# Altium PCB Monitor_Board.PcbDoc (part 3 of 5)
Units mm, origin at the board's own origin, x right, y up, seen from the top; angles counter-clockwise.
Board outline 99.59 x 64.16 mm, 4 copper layers (Top Layer, GND02, PWR03, Bottom Layer), stack 0.603 mm thick; 84 components, 146 nets, 502 pads, 244 vias.
Unrouted connection lines stored in the file: 39.
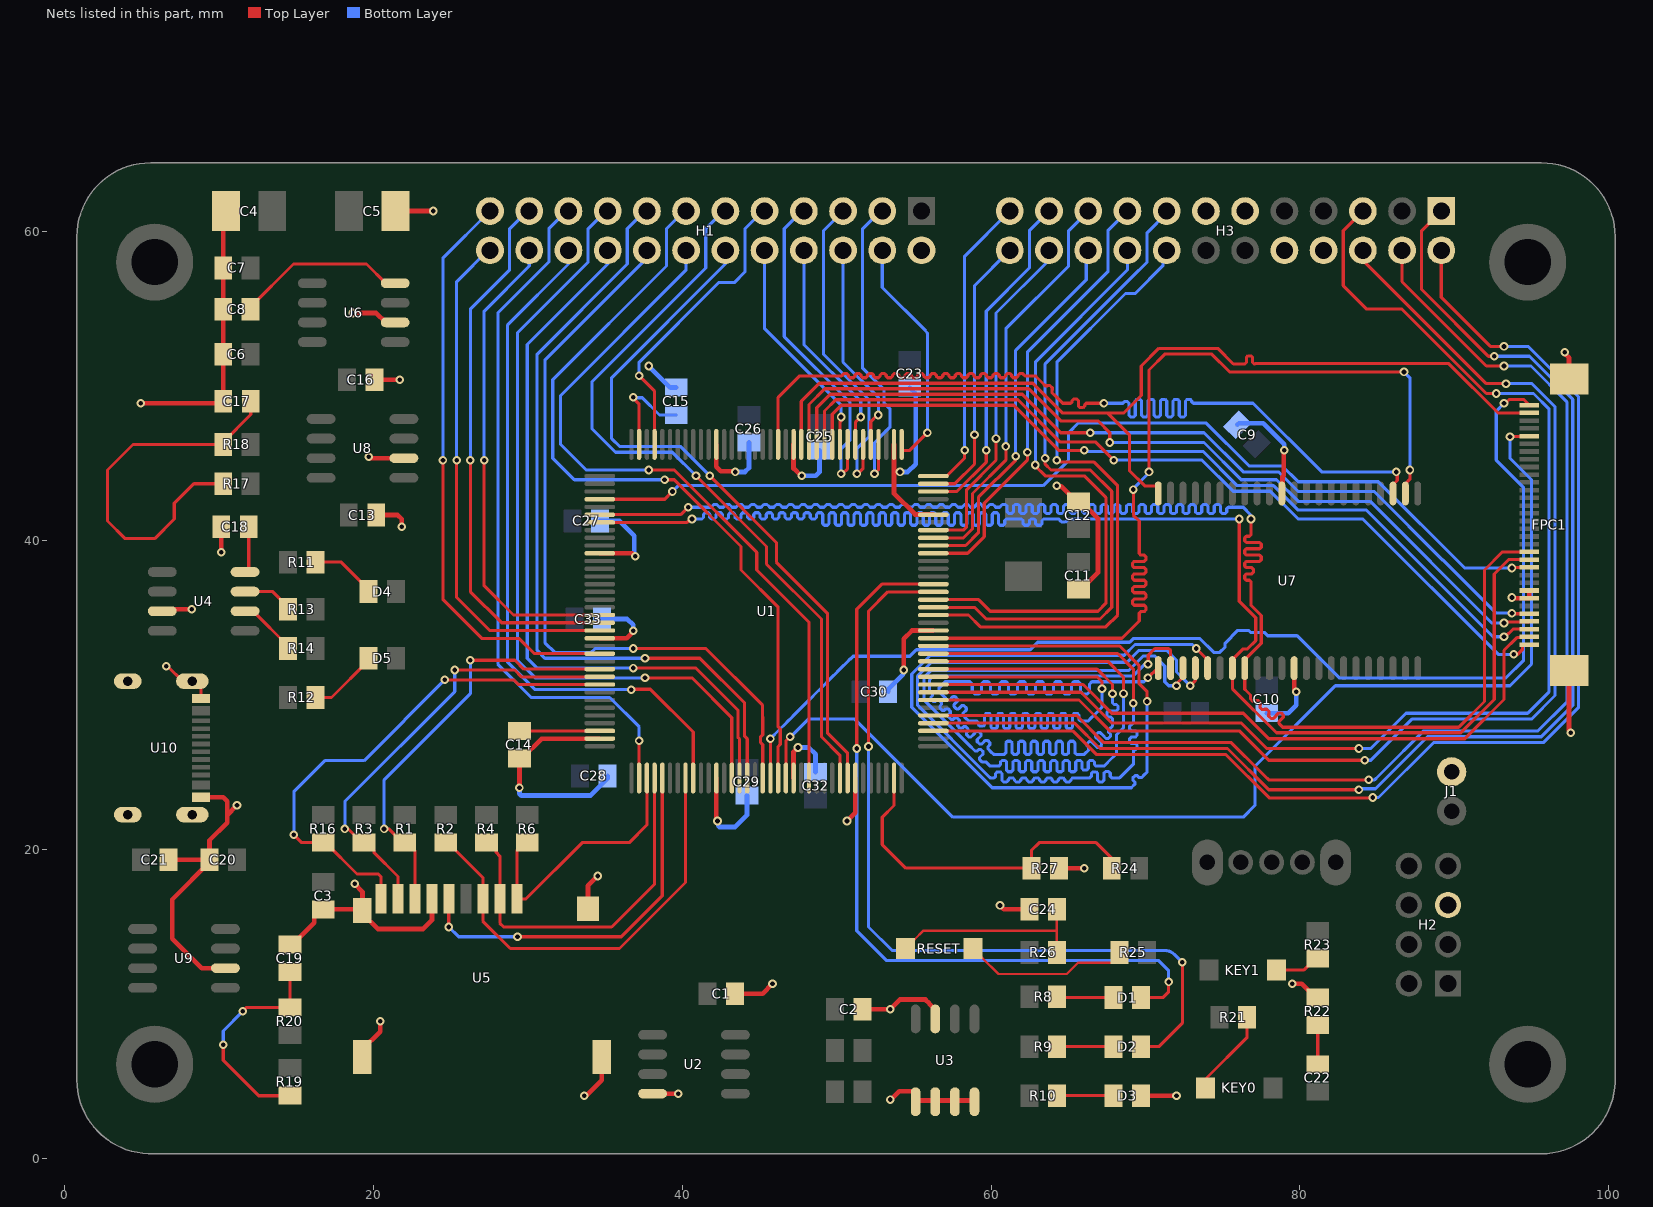
[diagram p5: the nets of this part, all layers, seen from the top]

## Via types
v1: diameter 0.559, hole 0.305, Top Layer to Bottom Layer, tented both sides, 240 vias
v2: diameter 1.143, hole 0.635, Top Layer to Bottom Layer, tented both sides, 2 vias
v3: diameter 1.143, hole 0.61, Top Layer to Bottom Layer, tented both sides, 1 vias
v4: diameter 0.559/0.559 (per signal layer), hole 0.305, Top Layer to Bottom Layer, tented both sides, 1 vias

## Nets (pads, with @x,y where several pads share a name; then routed paths per layer and width w, separated by ;. In a path a pad name is that pad's centre, name@x,y a point inside that pad or via, vN(x,y) a via of type N, cw(c..) or ccw(c..) an arc to the next point about the centre after c; other vN are vias at no path point) (continued)
FPC_LCD_D14: FPC1.13 U1.78 U7.8 | length 110.6
  Top Layer w0.203: U1.78@34.666,41.683 39.905,41.683 v1(40.386,42.164) ; v1(76.835,41.402) 76.835,40.894 76.835,40.691 76.835,40.386 76.733,40.284 76.53,40.284 76.429,40.183 76.429,39.98 76.53,39.878 76.835,39.878 77.394,39.878 77.495,39.776 77.495,39.573 77.394,39.472 76.835,39.472 76.53,39.472 76.429,39.37 76.429,39.167 76.53,39.065 76.835,39.065 77.394,39.065 77.495,38.964 77.495,38.76 77.394,38.659 76.835,38.659 76.53,38.659 76.429,38.557 76.429,38.354 76.53,38.252 76.835,38.252 76.886,38.252 76.987,38.151 76.987,37.948 76.886,37.846 76.835,37.846 76.53,37.846 76.429,37.744 76.429,37.541 76.53,37.44 76.733,37.44 76.835,37.338 76.835,37.084 76.835,35.814 77.495,35.154 77.495,33.361 76.428,32.293 U7.8@76.428,31.742 76.428,30.379 76.572,30.235 76.801,30.006 76.801,29.89 76.801,29.747 76.945,29.603 77.089,29.603 77.146,29.661 77.29,29.661 77.434,29.517 77.434,29.373 77.41,29.35 77.41,29.206 77.554,29.062 77.697,29.062 77.721,29.086 77.865,29.086 78.008,28.942 78.008,28.799 77.985,28.775 77.985,28.631 78.128,28.488 78.272,28.488 78.296,28.511 78.637,28.852 78.78,28.852 78.924,28.709 78.924,28.565 78.655,28.296 78.655,28.152 78.892,27.915 90.277,27.915 91.948,29.586 91.948,38.1 93.119,39.271 FPC1.13@94.851,39.271
  Bottom Layer w0.203: v1(40.386,42.164) 40.926,42.164 41.129,42.164 41.535,42.164 41.865,42.164 41.942,42.24 42.043,42.342 42.246,42.342 42.348,42.24 42.424,42.164 42.678,42.164 42.754,42.24 42.856,42.342 43.059,42.342 43.161,42.24 43.237,42.164 43.491,42.164 43.567,42.24 43.669,42.342 43.872,42.342 43.974,42.24 44.05,42.164 44.304,42.164 44.38,42.24 44.482,42.342 44.685,42.342 44.786,42.24 44.863,42.164 45.117,42.164 45.193,42.24 45.294,42.342 45.498,42.342 45.599,42.24 45.676,42.164 45.929,42.164 46.006,42.24 46.107,42.342 46.31,42.342 46.412,42.24 46.488,42.164 46.742,42.164 46.818,42.24 46.92,42.342 47.123,42.342 47.225,42.24 47.301,42.164 47.555,42.164 47.631,42.24 47.733,42.342 47.936,42.342 48.038,42.24 48.114,42.164 48.368,42.164 48.444,42.24 48.546,42.342 48.749,42.342 48.85,42.24 48.927,42.164 49.181,42.164 49.257,42.24 49.358,42.342 49.562,42.342 49.663,42.24 49.74,42.164 49.993,42.164 50.07,42.24 50.171,42.342 50.374,42.342 50.476,42.24 50.552,42.164 50.806,42.164 50.882,42.24 50.984,42.342 51.187,42.342 51.289,42.24 51.365,42.164 51.619,42.164 51.695,42.24 51.797,42.342 52,42.342 52.102,42.24 52.178,42.164 52.432,42.164 52.508,42.24 52.61,42.342 52.813,42.342 52.914,42.24 52.991,42.164 53.245,42.164 53.321,42.24 53.422,42.342 53.626,42.342 53.727,42.24 53.804,42.164 54.057,42.164 54.134,42.24 54.235,42.342 54.438,42.342 54.54,42.24 54.616,42.164 54.87,42.164 54.946,42.24 55.048,42.342 55.251,42.342 55.353,42.24 55.429,42.164 55.683,42.164 55.759,42.24 55.861,42.342 56.064,42.342 56.166,42.24 56.242,42.164 56.496,42.164 56.572,42.24 56.674,42.342 56.877,42.342 56.978,42.24 57.055,42.164 57.309,42.164 57.385,42.24 57.486,42.342 57.69,42.342 57.791,42.24 57.868,42.164 58.121,42.164 58.198,42.24 58.299,42.342 58.502,42.342 58.604,42.24 58.68,42.164 58.909,42.164 59.01,42.266 59.01,42.298 59.112,42.4 59.315,42.4 59.417,42.298 59.417,42.266 59.518,42.164 59.747,42.164 59.823,42.24 59.925,42.342 60.128,42.342 60.23,42.24 60.306,42.164 60.56,42.164 60.636,42.24 60.738,42.342 60.941,42.342 61.042,42.24 61.042,42.164 61.042,41.861 61.144,41.759 61.347,41.759 61.449,41.861 61.449,42.164 61.449,42.239 61.55,42.34 61.754,42.34 61.855,42.239 61.855,42.164 61.855,41.861 61.957,41.759 62.16,41.759 62.262,41.861 62.262,42.164 62.262,42.239 62.363,42.34 62.566,42.34 62.668,42.239 62.668,42.164 62.668,41.861 62.77,41.759 62.973,41.759 63.074,41.861 63.074,42.164 63.074,42.239 63.176,42.34 63.379,42.34 63.481,42.239 63.481,42.164 63.481,41.861 63.582,41.759 63.786,41.759 63.887,41.861 63.887,42.164 63.887,42.239 63.989,42.34 64.192,42.34 64.294,42.239 64.294,42.164 64.294,41.861 64.395,41.759 64.598,41.759 64.7,41.861 64.7,42.164 64.7,42.239 64.802,42.34 65.005,42.34 65.106,42.239 65.106,42.164 65.106,41.861 65.208,41.759 65.411,41.759 65.513,41.861 65.513,42.164 65.513,42.239 65.614,42.34 65.818,42.34 65.919,42.239 65.919,42.164 65.919,41.861 66.021,41.759 66.224,41.759 66.326,41.861 66.326,42.164 66.326,42.239 66.427,42.34 66.63,42.34 66.732,42.239 66.732,42.164 66.732,41.861 66.834,41.759 67.037,41.759 67.138,41.861 67.138,42.164 67.138,42.239 67.24,42.34 67.443,42.34 67.545,42.239 67.545,42.164 67.545,41.861 67.646,41.759 67.85,41.759 67.951,41.861 67.951,42.164 67.951,42.239 68.053,42.34 68.256,42.34 68.358,42.239 68.358,42.164 68.358,41.861 68.459,41.759 68.662,41.759 68.764,41.861 68.764,42.164 68.764,42.239 68.866,42.34 69.069,42.34 69.17,42.239 69.17,42.164 69.17,41.861 69.272,41.759 69.475,41.759 69.577,41.861 69.577,42.164 69.577,42.239 69.678,42.34 69.882,42.34 69.983,42.239 69.983,42.164 69.983,41.861 70.085,41.759 70.288,41.759 70.39,41.861 70.39,42.164 70.39,42.239 70.491,42.34 70.694,42.34 70.796,42.239 70.796,42.164 70.796,41.861 70.898,41.759 71.101,41.759 71.202,41.861 71.202,42.164 71.202,42.239 71.304,42.34 71.507,42.34 71.609,42.239 71.609,42.164 71.609,41.861 71.71,41.759 71.914,41.759 72.015,41.861 72.015,42.164 72.015,42.239 72.117,42.34 72.32,42.34 72.422,42.239 72.422,42.164 72.422,41.861 72.523,41.759 72.726,41.759 72.828,41.861 72.828,42.164 72.828,42.239 72.93,42.34 73.133,42.34 73.234,42.239 73.234,42.164 73.234,41.861 73.336,41.759 73.539,41.759 73.641,41.861 73.641,42.164 73.641,42.239 73.742,42.34 73.946,42.34 74.047,42.239 74.047,42.164 74.047,41.861 74.149,41.759 74.352,41.759 74.454,41.861 74.454,42.164 74.454,42.239 74.555,42.34 74.758,42.34 74.86,42.239 74.86,42.164 74.86,41.861 74.962,41.759 75.165,41.759 75.266,41.861 75.266,42.062 75.368,42.164 75.946,42.164 76.327,42.164 76.835,41.656 v1(76.835,41.402)
FPC_LCD_D15: FPC1.12 U1.79 U7.7 | length 110.6
  Top Layer w0.203: U1.79@34.666,41.183 40.325,41.183 40.544,41.402 v1(40.64,41.402) ; v1(76.073,41.402) 76.073,36.073 77.14,35.006 77.14,33.528 76.606,32.995 76.329,32.995 75.628,32.293 U7.7@75.628,31.742 75.628,30.417 78.486,27.559 90.424,27.559 92.583,29.718 92.583,37.838 93.218,38.473 93.218,38.481 93.508,38.771 FPC1.12@94.851,38.771
  Bottom Layer w0.203: v1(40.64,41.402) 40.767,41.275 40.894,41.402 41.18,41.402 41.281,41.402 41.383,41.504 41.383,41.704 41.484,41.806 41.688,41.806 41.789,41.704 41.789,41.504 41.891,41.402 42.094,41.402 42.196,41.504 42.196,41.704 42.297,41.806 42.5,41.806 42.602,41.704 42.602,41.504 42.704,41.402 42.907,41.402 43.008,41.504 43.008,41.704 43.11,41.806 43.313,41.806 43.415,41.704 43.415,41.504 43.516,41.402 43.72,41.402 43.821,41.504 43.821,41.704 43.923,41.806 44.126,41.806 44.228,41.704 44.228,41.504 44.329,41.402 44.532,41.402 44.634,41.504 44.634,41.704 44.736,41.806 44.939,41.806 45.04,41.704 45.04,41.504 45.142,41.402 45.345,41.402 45.447,41.504 45.447,41.704 45.548,41.806 45.752,41.806 45.853,41.704 45.853,41.504 45.955,41.402 46.158,41.402 46.26,41.504 46.26,41.704 46.361,41.806 46.564,41.806 46.666,41.704 46.666,41.504 46.768,41.402 46.971,41.402 47.072,41.504 47.072,41.704 47.174,41.806 47.377,41.806 47.479,41.704 47.479,41.504 47.58,41.402 47.784,41.402 47.885,41.504 47.885,41.704 47.987,41.806 48.19,41.806 48.292,41.704 48.292,41.504 48.393,41.402 48.596,41.402 48.698,41.504 48.698,41.704 48.8,41.806 49.003,41.806 49.104,41.704 49.104,41.402 49.104,41.1 49.206,40.998 49.409,40.998 49.511,41.1 49.511,41.402 49.511,41.704 49.612,41.806 49.816,41.806 49.917,41.704 49.917,41.402 49.917,41.1 50.019,40.998 50.222,40.998 50.324,41.1 50.324,41.402 50.324,41.704 50.425,41.806 50.628,41.806 50.73,41.704 50.73,41.402 50.73,41.1 50.832,40.998 51.035,40.998 51.136,41.1 51.136,41.402 51.136,41.704 51.238,41.806 51.441,41.806 51.543,41.704 51.543,41.402 51.543,41.1 51.644,40.998 51.848,40.998 51.949,41.1 51.949,41.402 51.949,41.704 52.051,41.806 52.254,41.806 52.356,41.704 52.356,41.402 52.356,41.1 52.457,40.998 52.66,40.998 52.762,41.1 52.762,41.402 52.762,41.704 52.864,41.806 53.067,41.806 53.168,41.704 53.168,41.402 53.168,41.1 53.27,40.998 53.473,40.998 53.575,41.1 53.575,41.402 53.575,41.704 53.676,41.806 53.88,41.806 53.981,41.704 53.981,41.402 53.981,41.1 54.083,40.998 54.286,40.998 54.388,41.1 54.388,41.402 54.388,41.704 54.489,41.806 54.692,41.806 54.794,41.704 54.794,41.402 54.794,41.1 54.896,40.998 55.099,40.998 55.2,41.1 55.2,41.402 55.2,41.704 55.302,41.806 55.505,41.806 55.607,41.704 55.607,41.402 55.607,41.1 55.708,40.998 55.912,40.998 56.013,41.1 56.013,41.402 56.013,41.704 56.115,41.806 56.318,41.806 56.42,41.704 56.42,41.402 56.42,41.1 56.521,40.998 56.724,40.998 56.826,41.1 56.826,41.402 56.826,41.704 56.928,41.806 57.131,41.806 57.232,41.704 57.232,41.402 57.232,41.1 57.334,40.998 57.537,40.998 57.639,41.1 57.639,41.402 57.639,41.704 57.74,41.806 57.944,41.806 58.045,41.704 58.045,41.402 58.045,41.1 58.147,40.998 58.35,40.998 58.452,41.1 58.452,41.402 58.452,41.704 58.553,41.806 58.756,41.806 58.858,41.704 58.858,41.402 58.858,41.1 58.96,40.998 59.163,40.998 59.264,41.1 59.264,41.402 59.264,41.704 59.366,41.806 59.569,41.806 59.671,41.704 59.671,41.402 59.671,41.1 59.772,40.998 59.976,40.998 60.077,41.1 60.077,41.402 60.077,41.704 60.179,41.806 60.382,41.806 60.484,41.704 60.484,41.402 60.484,41.1 60.585,40.998 60.788,40.998 60.89,41.1 60.89,41.3 60.992,41.402 61.214,41.402 61.468,41.402 61.671,41.402 61.976,41.402 62.078,41.3 62.078,41.097 62.179,40.996 62.382,40.996 62.484,41.097 62.484,41.3 62.586,41.402 62.789,41.402 62.89,41.3 62.89,41.097 62.992,40.996 63.195,40.996 63.297,41.097 63.297,41.3 63.398,41.402 63.627,41.402 63.881,41.402 64.084,41.402 64.389,41.402 64.491,41.3 64.592,41.199 64.795,41.199 64.897,41.3 64.999,41.402 65.278,41.402 v1(76.073,41.402)
GND: C1.2 C2.1 C3.1 C4.2 C5.2 C6.1 C7.1 C8.1 C9.1 C10.1 C11.1 C12.1 C13.2 C14.2 C15.1 C16.1 C17.1 C18.1 C19.1 C20.2 C21.1 C23.2 C24.1 C25.2 C26.2 C27.2 C28.1 C29.1 C30.1 C32.2 C33.1 D3.K FPC1.7 FPC1.8 FPC1.33 FPC1.34 H1.12 H2.5 H3.8 H3.9 H3.18 H3.19 J1.2 R22.1 R27.2 U1.16 U1.31 U1.38 U1.51 U1.61 U1.83 U1.94 U1.107 U1.120 U1.130 U1.138 U2.4 U3.1 U3.2 U3.3 U3.4 U3.7 U4.3 U5.6 U5.10 U5.11 U5.12 U5.13 U6.2 U7.12 U7.34 U8.2 U9.2 U10.1 U10.2 U10.3 U10.4 U10.A1-B12 U10.B1-A12 | length 206.7
  Top Layer w0.203: v1(6.604,31.877) 6.681,31.877 7.658,30.9 U10.1@8.285,30.9 8.481,30.9 8.849,30.532 U10.A1-B12@8.849,29.78
  Top Layer w0.305: v1(4.953,48.895) 10.16,48.895 C17.1@10.287,49.022 10.287,52.068 C6.1@10.285,52.07 10.285,54.609 C8.1@10.667,54.991 ; U4.3@6.335,35.433 6.462,35.56 v1(8.255,35.56) ; C21.1@6.731,19.332 C20.2@9.397,19.332 9.397,20.601 10.541,21.745 10.541,22.225 ; U10.B1-A12@8.849,23.38 10.275,23.38 10.541,23.114 10.541,22.225 ; U10.A1-B12@9.277,29.858 U10.A1-B12@9.29,29.87 ; C20.2@9.518,19.453 9.518,19.298 6.985,16.765 6.985,14.224 8.89,12.319 U9.2@10.429,12.319 ; C4.2@10.033,61.341 C4.2@10.033,61.741 ; C18.1@10.159,40.894 10.159,39.498 10.16,39.497 v1(10.16,39.243) ; C8.1@10.285,54.991 C7.1@10.285,57.658 10.285,61.164 C4.2@10.462,61.341 ; v1(11.176,22.86) 10.541,22.225 ; C19.1@14.605,13.845 14.76,13.845 16.181,15.266 16.181,15.699 16.609,16.127 C3.1@16.764,16.127 19.233,16.127 U5.10@19.301,16.059 ; v1(18.669,54.737) 20.193,54.737 20.8,54.13 U6.2@21.42,54.13 ; v1(18.796,17.78) 19.301,17.275 U5.10@19.301,16.059 ; U5.11@19.301,6.559 19.301,7.059 20.447,8.205 v1(20.447,8.89) ; v1(19.717,45.434) 19.812,45.339 U8.2@21.986,45.339 ; C16.1@20.068,50.419 v1(21.717,50.419) ; C13.2@20.193,41.656 21.59,41.656 21.844,41.402 v1(21.844,40.894) ; C5.2@20.979,61.674 C5.2@21.439,61.214 ; C5.2@21.488,61.292 C5.2@21.439,61.341 v1(23.876,61.341) ; U5.6@23.801,16.809 23.801,15.419 23.241,14.859 20.301,14.859 19.301,15.859 U5.10@19.301,16.059 ; v1(29.464,24.003) C14.2@29.464,25.906 29.619,25.906 30.896,27.183 U1.107@34.666,27.183 34.651,27.168 U1.107@33.734,27.168 ; v1(33.655,4.064) 33.788,4.064 34.801,5.077 U5.12@34.801,6.559 ; U5.13@33.901,16.159 33.901,17.645 v1(34.544,18.288) ; U1.94@34.666,33.683 36.421,33.683 36.83,34.092 v1(36.83,34.163) ; U1.83@34.666,39.183 36.763,39.183 v1(36.957,38.989) ; U2.4@37.367,4.191 v1(39.751,4.191) ; U1.120@42.216,24.633 42.216,21.919 v1(42.291,21.844) ; U1.61@42.216,46.233 42.216,44.779 42.496,44.499 43.385,44.499 v1(43.434,44.45) ; C1.2@43.434,10.668 45.212,10.668 v1(45.847,11.303) ; U1.130@47.216,24.633 47.216,26.325 v1(47.498,26.607) ; U1.51@47.216,46.233 47.216,44.676 47.696,44.196 v1(47.752,44.196) ; v1(50.673,21.844) 51.216,22.387 U1.138@51.216,24.633 ; C2.1@51.689,9.652 v1(53.467,9.652) 54.102,10.287 55.753,10.287 56.006,10.034 56.006,10.017 56.321,9.701 U3.7@56.321,9.017 ; v1(53.467,3.81) 53.515,3.81 54.052,4.347 54.968,4.347 55.118,4.197 U3.1@55.118,3.75 ; U1.38@53.716,46.233 53.716,44.45 ; v1(54.102,44.45) 53.716,44.45 ; v1(54.356,31.623) 54.356,33.655 54.884,34.183 U1.16@56.266,34.183 ; U3.1@55.118,3.668 U3.1@55.118,3.75 ; U1.31@56.266,41.683 56.254,41.695 55.079,41.695 53.716,43.058 53.716,44.45 ; U3.4@58.928,3.75 U3.1@55.118,3.75 ; v1(60.579,16.383) 60.833,16.129 C24.1@62.355,16.129 ; v1(64.262,43.561) 64.311,43.512 64.539,43.512 65.504,42.547 C12.1@65.659,42.547 65.814,42.547 66.929,41.432 66.929,37.943 65.814,36.828 C11.1@65.659,36.828 C11.1@65.504,36.828 ; R27.2@64.389,18.796 v1(66.04,18.796) ; D3.K@69.723,4.064 v1(72.009,4.064) ; U7.34@78.828,43.053 78.875,43.1 78.875,44.128 78.958,44.211 78.958,44.622 78.958,45.811 v1(78.994,45.847) ; v1(79.502,11.303) 80.111,11.303 80.998,10.416 R22.1@81.153,10.416 ; U7.12@79.628,31.742 79.628,30.354 v1(79.756,30.226) ; v1(93.726,36.322) 93.775,36.273 94.849,36.273 FPC1.7@94.851,36.271 FPC1.8@94.851,36.771 ; v1(97.155,52.197) 97.155,52.101 97.427,51.829 FPC1.33@97.427,50.461 ; FPC1.34@97.282,31.436 FPC1.34@97.427,31.581 97.427,27.737 97.536,27.628 v1(97.536,27.559)
  Bottom Layer w0.305: v1(29.464,24.003) 29.464,23.622 29.591,23.495 34.064,23.495 35.179,24.61 C28.1@35.179,24.765 ; C27.2@34.671,41.275 35.941,41.275 36.908,40.308 36.908,39.038 v1(36.957,38.989) ; C33.1@34.8,34.925 36.449,34.925 36.83,34.544 v1(36.83,34.163) ; v1(37.846,51.308) 39.243,49.911 C15.1@39.624,49.911 ; v1(42.291,21.844) 42.34,21.795 42.34,21.541 42.418,21.463 43.434,21.463 44.196,22.225 C29.1@44.196,23.495 ; v1(43.434,44.45) 44.069,44.45 44.323,44.704 C26.2@44.323,46.355 ; v1(47.498,26.607) 48.197,26.607 48.641,26.162 C32.2@48.641,25.021 ; v1(47.752,44.196) 48.641,44.196 48.895,44.45 C25.2@48.895,45.845 ; C30.1@53.341,30.226 53.341,30.381 54.307,31.347 54.307,31.574 v1(54.356,31.623) ; v1@54.151,44.499 v1(54.102,44.45) 54.61,44.45 55.118,44.958 55.118,49.528 C23.2@54.737,49.909 ; C9.1@75.946,47.498 76.056,47.608 77.614,47.608 78.994,46.228 v1(78.994,45.847) ; C10.1@77.851,28.829 79.248,28.829 79.756,29.337 v1(79.756,30.226)
LCD_A6: FPC1.31 U1.50 U7.44 | length 63.3
  Top Layer w0.203: U1.50@47.716,46.233 47.716,49.02 48.886,50.19 62.713,50.19 64.643,48.26 66.992,48.26 67.564,48.26 ; U7.44@70.793,43.434 70.793,43.531 69.977,43.531 68.961,44.547 68.961,46.863 67.564,48.26 ; FPC1.31@94.851,48.271 94.84,48.26 94.829,48.271 92.826,48.271 89.637,51.46 77.114,51.46 77.089,51.435 77.038,51.435 76.937,51.537 76.937,51.863 76.835,51.965 76.632,51.965 76.53,51.863 76.53,51.537 76.429,51.435 76.327,51.435 75.692,51.435 74.676,52.451 70.866,52.451 69.723,51.308 69.723,49.403 68.58,48.26 67.564,48.26
LCD_BL: FPC1.11 U1.76 | length 67.2
  Top Layer w0.203: U1.76@34.666,42.683 38.873,42.683 v1(39.37,43.18) ; v1(93.726,38.227) 93.77,38.271 FPC1.11@94.851,38.271 FPC1.11@94.9,38.319
  Bottom Layer w0.203: v1(39.37,43.18) 39.751,43.561 63.373,43.561 65.024,45.212 65.024,46.982 65.667,47.625 73.914,47.625 76.708,44.831 78.867,44.831 79.883,43.815 85.074,43.815 90.662,38.227 v1(93.726,38.227)
LCD_CS: FPC1.2 U1.9 | length 44.6
  Top Layer w0.203: U1.9@56.266,30.683 65.964,30.683 67.818,28.829 76.327,28.829 77.978,27.178 90.678,27.178 93.218,29.718 93.218,32.893 94.048,33.723 94.803,33.723 FPC1.2@94.851,33.771
LCD_MISO: FPC1.5 U1.48 | length 54.8
  Top Layer w0.203: U1.48@48.716,46.233 48.716,48.606 49.589,49.479 62.027,49.479 64.516,46.99 v1(66.421,46.99) ; v1(93.726,35.306) 93.853,35.306 93.888,35.271 FPC1.5@94.851,35.271
  Bottom Layer w0.203: v1(66.421,46.99) 73.787,46.99 76.327,44.45 78.613,44.45 79.883,43.18 84.81,43.18 89.255,38.735 89.281,38.735 92.71,35.306 v1(93.726,35.306)
LCD_MOSI: FPC1.4 U1.49 | length 56.3
  Top Layer w0.203: U1.49@48.216,46.233 48.216,48.813 49.238,49.835 62.433,49.835 64.516,47.752 66.929,47.752 67.691,46.99 v1(67.691,46.355) ; v1(93.218,34.671) 93.27,34.723 94.803,34.723 FPC1.4@94.851,34.771
  Bottom Layer w0.203: v1(67.691,46.355) 73.787,46.355 76.2,43.942 78.486,43.942 79.883,42.545 84.547,42.545 92.421,34.671 v1(93.218,34.671)
LCD_NE4: FPC1.32 U1.127 | length 76.4
  Top Layer w0.203: U1.127@45.716,24.633 v1(45.716,27.178) ; v1(93.218,48.895) 93.314,48.895 93.568,49.149 94.473,49.149 FPC1.32@94.851,48.771 FPC1.32@94.9,48.723
  Bottom Layer w0.203: v1(45.716,27.178) 46.307,27.769 46.659,28.121 46.882,28.344 47.09,28.552 47.234,28.696 47.457,28.919 47.809,29.271 48.031,29.493 48.175,29.637 48.383,29.845 48.606,30.068 48.958,30.42 49.181,30.643 49.533,30.995 49.756,31.218 49.964,31.426 50.108,31.57 50.33,31.792 50.682,32.144 50.89,32.352 50.92,32.352 51.081,32.512 54.737,32.512 55.163,32.938 62.529,32.938 63.017,33.426 68.975,33.426 69.203,33.655 73.533,33.655 74.422,32.766 74.811,32.766 75.159,33.114 75.159,33.368 75.979,34.188 76.675,34.188 76.802,34.061 77.699,34.061 77.915,33.846 79.819,33.846 82.55,31.115 93.345,31.115 94.488,32.258 94.488,43.434 92.71,45.212 92.71,48.387 v1(93.218,48.895)
LCD_PEN: FPC1.1 U1.47 | length 55.4
  Top Layer w0.203: U1.47@49.216,46.233 49.216,48.399 49.941,49.124 61.747,49.124 64.491,46.38 66.777,46.38 v1(67.945,45.212) ; v1(93.853,32.639) 94.107,32.639 94.407,32.939 94.407,33.223 94.456,33.271 FPC1.1@94.851,33.271
  Bottom Layer w0.203: v1(67.945,45.212) 73.66,45.212 75.675,43.197 78.088,43.197 79.883,41.402 84.074,41.402 92.837,32.639 v1(93.853,32.639)
LCD_RESET: FPC1.28 U1.129 | length 76.2
  Top Layer w0.203: U1.129@46.716,24.633 46.716,27.031 v1(46.99,27.305) ; v1(93.599,46.736) FPC1.28@94.886,46.736 ; FPC1.28@94.851,46.771 FPC1.28@94.886,46.736 ; FPC1.28@94.904,46.753 FPC1.28@94.886,46.736
  Bottom Layer w0.203: v1(46.99,27.305) 46.99,27.281 48.157,28.448 51.181,28.448 57.531,22.098 76.327,22.098 77.089,22.86 77.089,25.4 82.296,30.607 93.599,30.607 94.996,32.004 94.996,43.942 93.599,45.339 v1(93.599,46.736)
LCD_SCK: FPC1.3 U1.46 | length 53.7
  Top Layer w0.203: U1.46@49.716,46.233 49.716,48.192 50.292,48.768 61.468,48.768 64.389,45.847 v1(66.04,45.847) ; v1(93.218,33.782) 93.306,33.782 93.795,34.271 FPC1.3@94.851,34.271
  Bottom Layer w0.203: v1(66.04,45.847) 66.103,45.783 73.724,45.783 75.946,43.561 78.295,43.561 79.883,41.974 84.311,41.974 92.502,33.782 v1(93.218,33.782)
LED_0: D1.K U1.22 | length 51
  Top Layer w0.203: v1(51.308,26.543) 51.308,35.56 52.931,37.183 U1.22@56.266,37.183 ; D1.K@69.723,10.414 71.12,10.414 71.501,10.795 v1(71.501,11.43)
  Bottom Layer w0.203: v1(51.308,26.543) 51.308,14.732 53.213,12.827 70.823,12.827 71.501,12.149 v1(71.501,11.43)
LED_1: D2.K U1.21 | length 53.6
  Top Layer w0.203: v1(52.07,26.67) 52.07,35.433 53.32,36.683 U1.21@56.266,36.683 ; D2.K@69.723,7.239 70.866,7.239 72.39,8.763 v1(72.39,12.7)
  Bottom Layer w0.203: v1(52.07,26.67) 52.07,14.986 53.594,13.462 71.247,13.462 cw(c71.247,12.542) 71.897,13.193 v1(72.39,12.7)
NetC8_2: C8.2 U6.4 | length 11.2
  Top Layer w0.203: C8.2@12.065,54.991 12.066,55.146 14.832,57.912 19.56,57.912 20.802,56.67 U6.4@21.42,56.67
NetC14_1: C14.1 U1.106 | length 5.2
  Top Layer w0.203: C14.1@29.464,27.686 29.482,27.668 34.651,27.668 U1.106@34.666,27.683
NetC15_2: C15.2 U1.71 | length 6.5
  Top Layer w0.203: v1(36.83,49.276) 36.83,49.222 37.216,48.836 U1.71@37.216,46.233
  Bottom Layer w0.203: v1(36.83,49.276) 36.855,49.251 37.414,49.251 38.532,48.133 39.622,48.133 C15.2@39.624,48.131
NetC17_2: C17.2 R17.1 R18.2 | length 25
  Top Layer w0.203: R17.1@10.285,43.688 8.382,43.688 7.112,42.418 7.112,41.402 5.842,40.132 3.937,40.132 2.794,41.275 2.794,44.577 4.445,46.228 R18.2@10.285,46.228 10.285,46.383 12.067,48.165 C17.2@12.067,49.022
NetC18_2: C18.2 U4.8 | length 3.2
  Top Layer w0.203: U4.8@11.699,37.973 11.742,37.973 11.939,38.17 C18.2@11.939,40.894 C18.2@11.939,41.049
NetC19_2: C19.2 R19.1 R20.2 | length 14.6
  Top Layer w0.203: v1(10.287,7.366) 10.287,6.35 12.575,4.062 R19.1@14.605,4.062 R19.1@14.76,4.062 ; v1(11.557,9.525) 11.813,9.781 R20.2@14.605,9.781 C19.2@14.605,12.065
  Bottom Layer w0.203: v1(10.287,7.366) 10.287,8.255 v1(11.557,9.525)
NetC22_1: C22.1 R22.2 | length 2.5
  Top Layer w0.203: C22.1@81.153,6.098 R22.2@81.153,8.636
NetC24_2: C24.2 R26.2 RESET.1 | length 13.1
  Top Layer w0.152: RESET.1@54.457,13.589 54.457,13.654 54.996,14.193 55.061,14.193 55.6,14.732 64.262,14.732 ; R26.2@64.262,13.335 64.262,14.732 ; C24.2@64.262,16.129 64.262,14.732
NetD1_A: D1.A R8.2 | length 3.9
  Top Layer w0.203: R8.2@64.135,10.414 67.816,10.414 D1.A@67.943,10.287
NetD2_A: D2.A R9.2 | length 3.7
  Top Layer w0.203: R9.2@64.389,7.239 67.69,7.239 D2.A@67.944,6.985
NetD3_A: D3.A R10.2 | length 3.6
  Top Layer w0.203: R10.2@64.389,4.064 D3.A@67.943,4.064
NetD4_A: D4.A R11.1 | length 4.3
  Top Layer w0.203: R11.1@16.256,38.608 17.933,38.608 19.683,36.858 D4.A@19.683,36.703
NetD5_A: D5.A R12.1 | length 4.6
  Top Layer w0.203: R12.1@16.256,29.845 17.299,29.845 19.684,32.23 D5.A@19.684,32.385